# KiCad board NNCpro.kicad_pcb
title: NNCsuper AKA v2.0; rev: v1.0; company: NoNameRocketry; note: designed by PlanAndBuild; note: designed in Poland; note: Best NNC. It's for everything.
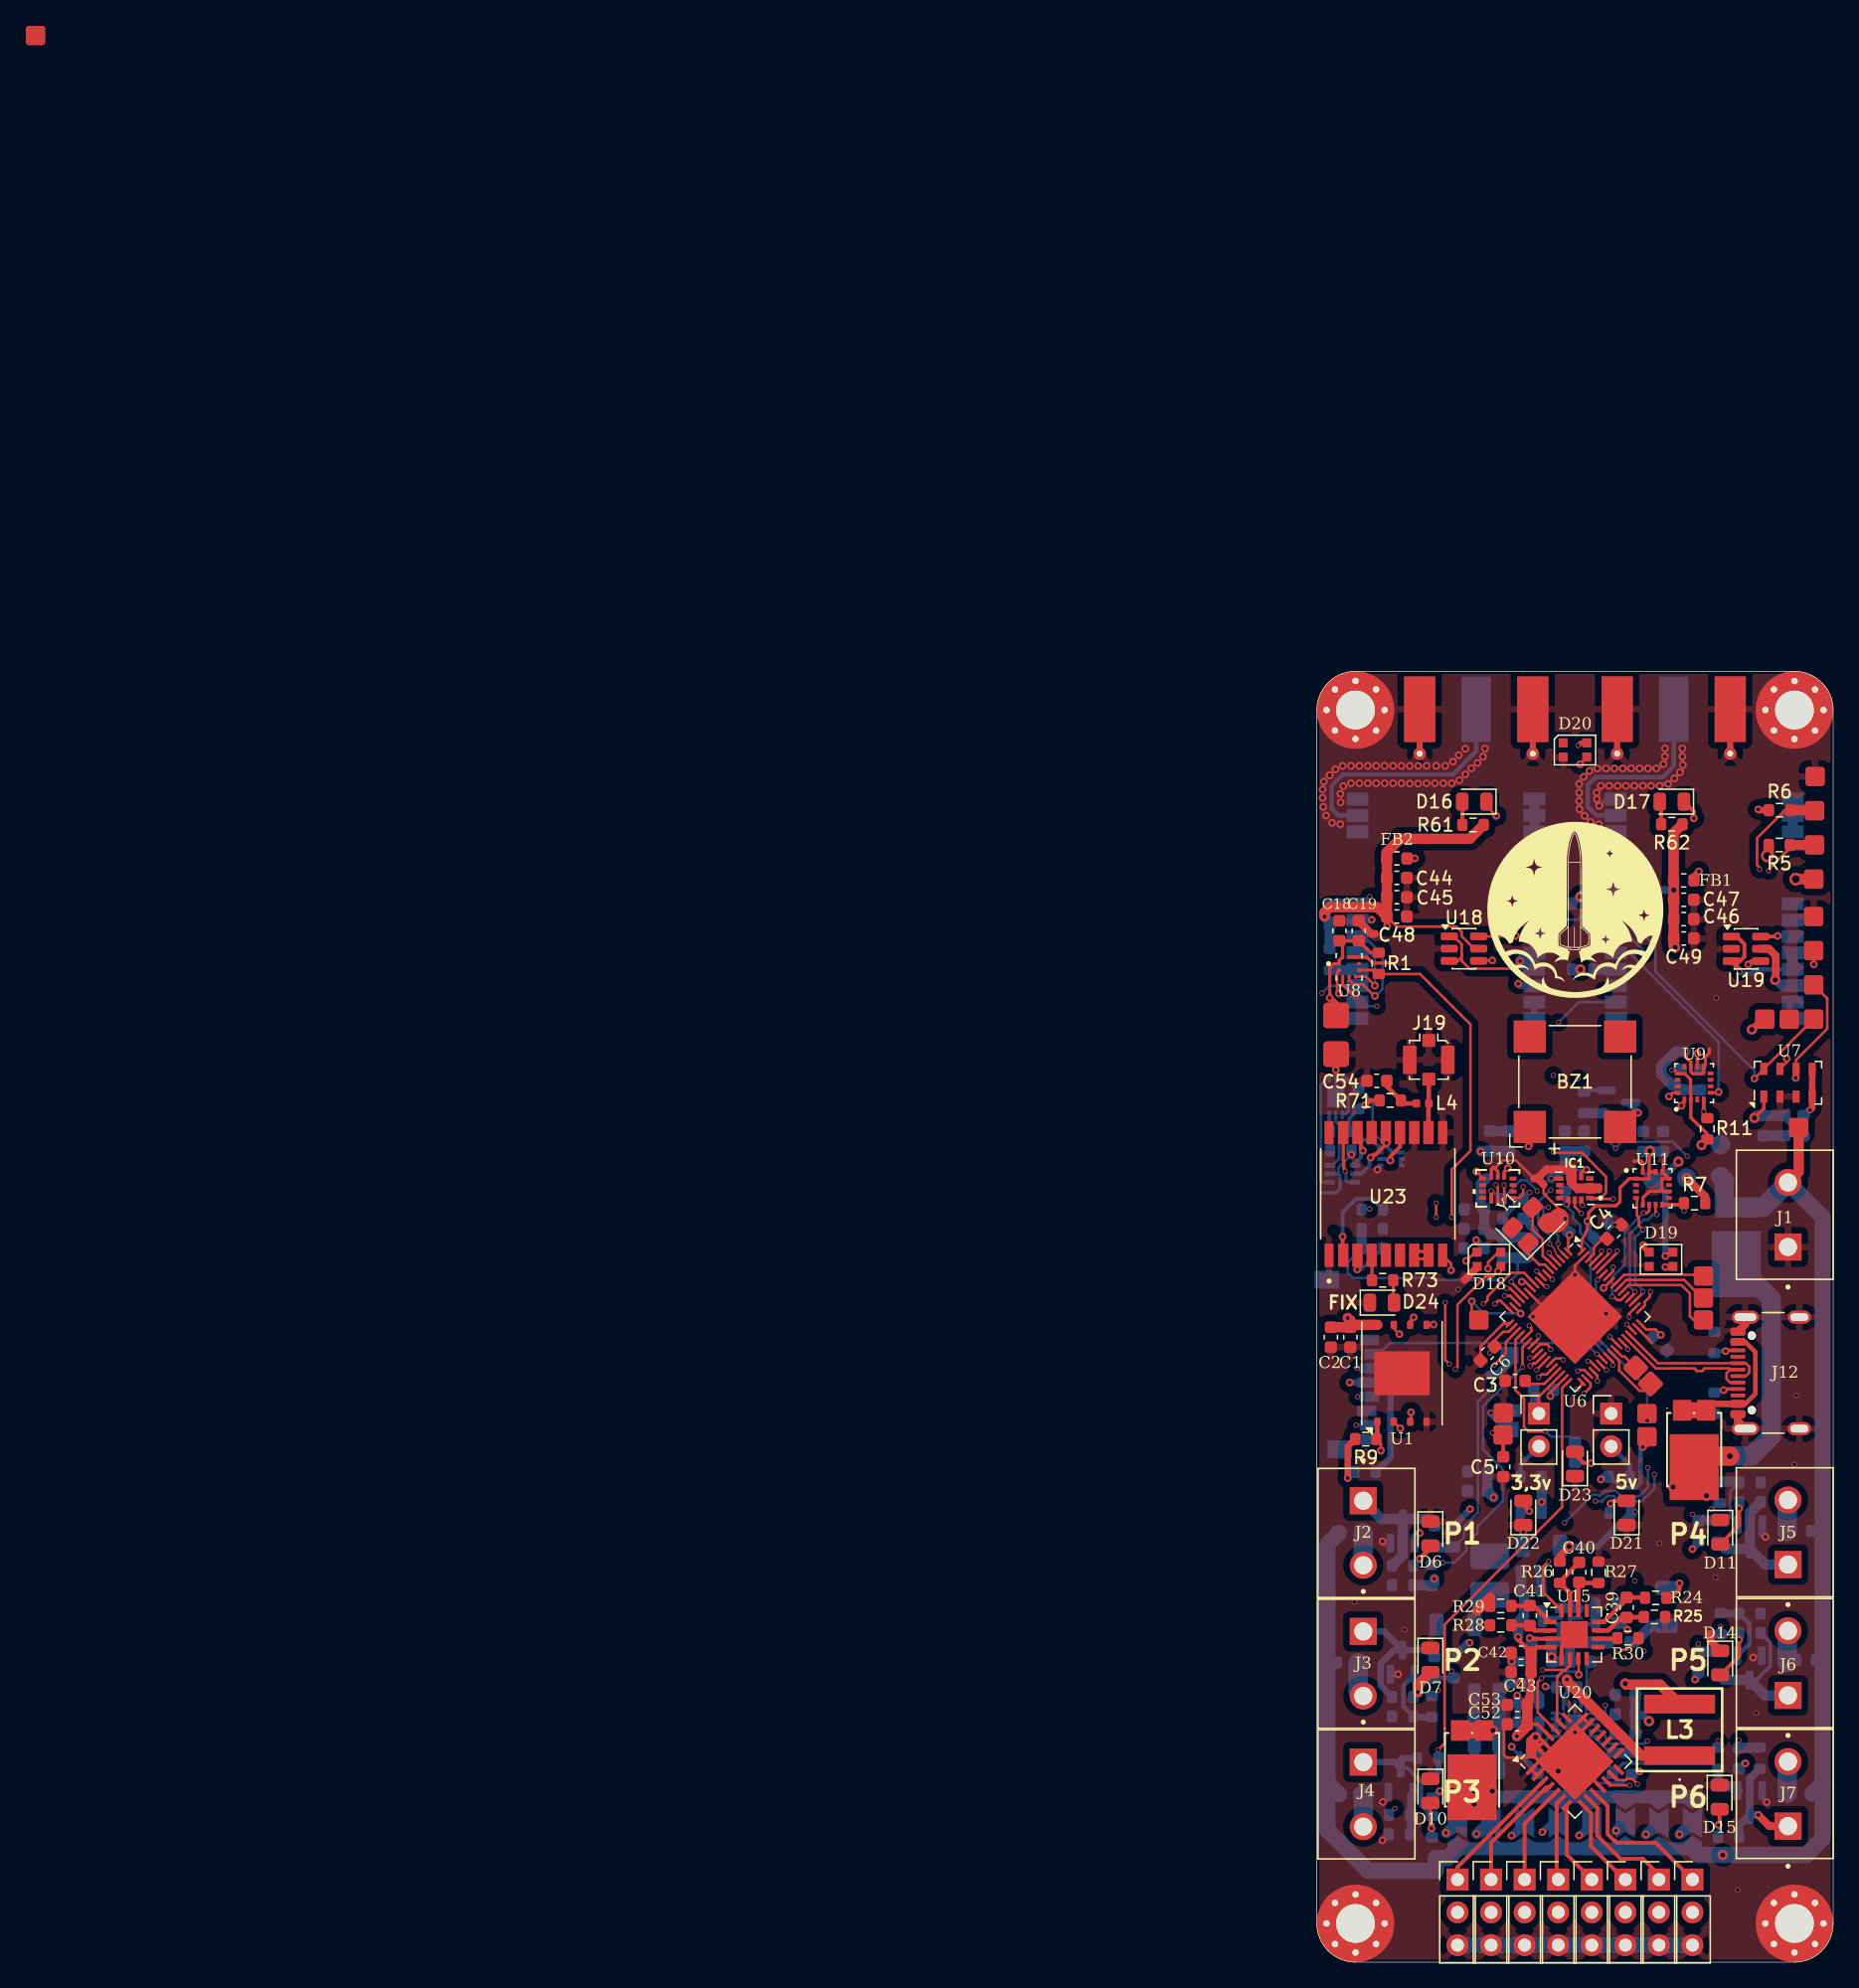
[diagram p0: board, top side]
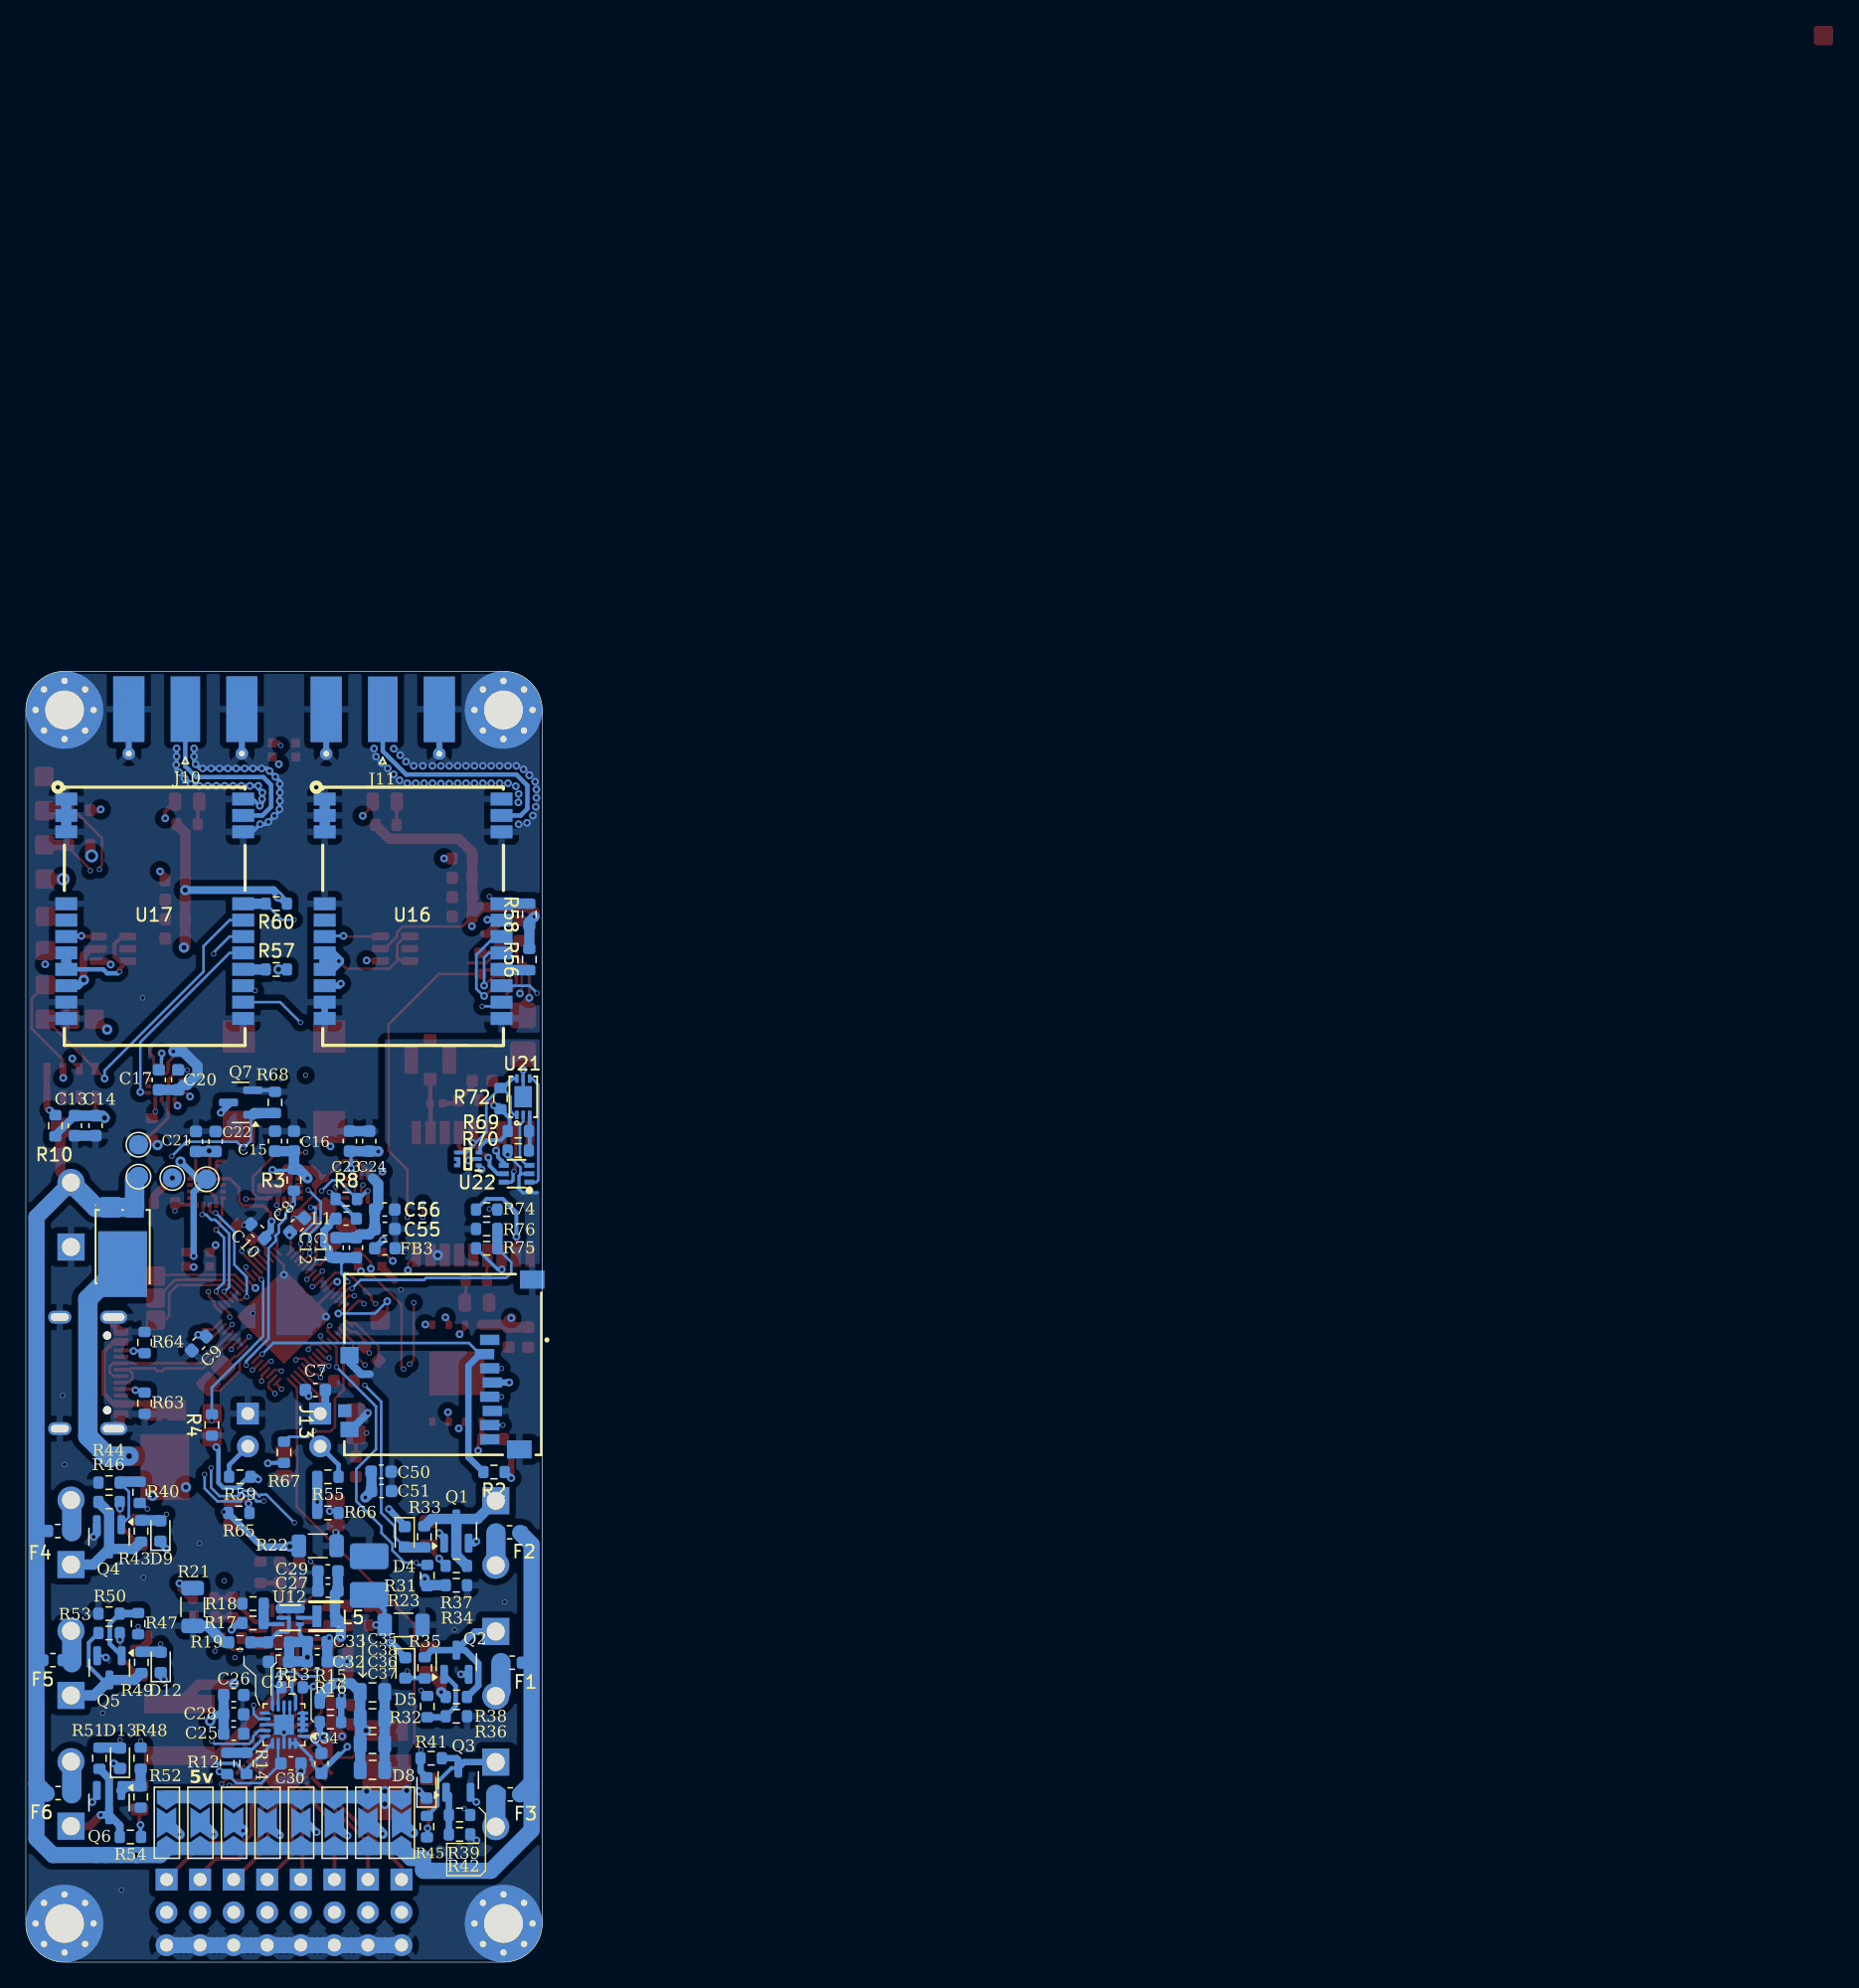
[diagram p1: board, bottom side, seen from below]

Outline 40 x 100 mm; copper layers: Top, In1.Cu (plane), In2.Cu (plane), Bottom. Coordinates in mm from the lower left corner of the outline.
Outline path: 0,97 arc(0.88,99.12) 3,100 37,100 arc(39.12,99.12) 40,97 40,3 arc(39.12,0.88) 37,0 3,0 arc(0.88,0.88) 0,3 0,97
Stack: Top 0.035mm / dielectric 0.1mm FR4 er 4.5 / In1.Cu 0.035mm / dielectric 1.24mm FR4 er 4.5 / In2.Cu 0.035mm / dielectric 0.1mm FR4 er 4.5 / Bottom 0.035mm

## Placement (name value [footprint] x y rotation side)
BZ1  Buzzer  [MagneticBuzzer_CUI_CMT-8504-100-SMT]  20 68.2 90 top
C1  100nF  [C_0603_1608Metric]  2.6 48.42 270 top
C2  1uF  [C_0603_1608Metric]  1.09 48.42 270 top
C3  2.2uF  [C_0603_1608Metric]  15.36 45.03 180 top
C4  2.2uF  [C_0603_1608Metric]  23.03 56.59 45 top
C5  100nF  [C_0603_1608Metric]  14.44 38.38 90 top
C6  4.7uF  [C_0603_1608Metric]  13.23 47.15 225 top
C7  100nF  [C_0603_1608Metric]  17.58 44.33 180 bottom
C8  100nF  [C_0603_1608Metric]  18.98 57.1 135 bottom
C9  100nF  [C_0603_1608Metric]  26.6 47.93 315 bottom
C10  100nF  [C_0603_1608Metric]  22.05 56.62 45 bottom
C11  1uF  [C_0603_1608Metric]  14.42 55.35 90 bottom
C12  100nF  [C_0603_1608Metric]  15.92 55.35 90 bottom
C13  100nF  [C_0603_1608Metric]  36.2 64.8 270 bottom
C14  100nF  [C_0603_1608Metric]  34.6 64.8 90 bottom
C15  100nF  [C_0603_1608Metric]  20.7 63.6 90 bottom
C16  100nF  [C_0603_1608Metric]  19.22 63.6 270 bottom
C17  10uF  [C_0603_1608Metric]  29.7 68.35 90 bottom
C18  100nF  [C_0603_1608Metric]  1.75 79.9 90 top
C19  100nF  [C_0603_1608Metric]  3.25 79.9 270 top
C20  1uF  [C_0603_1608Metric]  28.2 68.35 270 bottom
C21  10uF  [C_0603_1608Metric]  26.83 63.58 90 bottom
C22  100nF  [C_0603_1608Metric]  25.3 63.58 270 bottom
C23  100nF  [C_0603_1608Metric]  14.9 63.6 90 bottom
C24  100nF  [C_0603_1608Metric]  13.4 63.6 270 bottom
C25  22uF  [C_0603_1608Metric]  23.9 17.7 0 bottom
C26  22uF  [C_0603_1608Metric]  23.9 20.7 0 bottom
C27  22uF  [C_0603_1608Metric]  16.6 28.78 180 bottom
C28  100nF  [C_0603_1608Metric]  23.9 19.2 0 bottom
C29  100nF  [C_0603_1608Metric]  16.6 30.28 180 bottom
C30  1uF  [C_0603_1608Metric]  19.47 15.4 180 bottom
C31  22uF  [C_0603_1608Metric]  20.42 23.28 0 bottom
C32  100nF  [C_0603_1608Metric]  17.42 23.3 180 bottom
C33  22uF  [C_0603_1608Metric]  17.42 24.8 180 bottom
C34  100nF  [C_0603_1608Metric]  17.1 15.4 90 bottom
C35  47uF  [C_0805_2012Metric]  13.15 20.9 0 bottom
C36  47uF  [C_0805_2012Metric]  13.15 16.9 0 bottom
C37  47uF  [C_0805_2012Metric]  13.15 14.9 0 bottom
C38  47uF  [C_0805_2012Metric]  13.15 18.9 0 bottom
C39  100nF  [C_0603_1608Metric]  24 27.47 90 top
C40  100nF  [C_0603_1608Metric]  20.33 30.2 90 top
C41  100nF  [C_0603_1608Metric]  16.5 26.85 270 top
C42  100nF  [C_0603_1608Metric]  15.83 23.97 180 top
C43  100nF  [C_0603_1608Metric]  15.83 22.48 0 top
C44  100nF  [C_0603_1608Metric]  6.2 82.5 0 top
C45  10uF  [C_0603_1608Metric]  6.2 84 180 top
C46  100nF  [C_0603_1608Metric]  28.43 80.8 0 top
C47  10uF  [C_0603_1608Metric]  28.43 82.3 180 top
C48  100nF  [C_0603_1608Metric]  6.2 81 180 top
C49  100nF  [C_0603_1608Metric]  28.43 79.3 180 top
C50  100nF  [C_0603_1608Metric]  12.47 38 180 bottom
C51  1uF  [C_0603_1608Metric]  12.45 36.5 180 bottom
C52  100nF  [C_0603_1608Metric]  15.53 18.43 180 top
C53  100nF  [C_0603_1608Metric]  15.53 19.93 0 top
C54  10nF  [C_0603_1608Metric]  4.65 68.28 0 top
C55  10uF  [C_0603_1608Metric]  12.19 56.8 0 bottom
C56  100nF  [C_0603_1608Metric]  12.2 58.31 180 bottom
D4  D  [D_0603_1608Metric]  10.65 32.95 270 bottom
D5  D  [D_0603_1608Metric]  10.6 22.8 270 bottom
D6  LED  [LED_0805_2012Metric]  8.8 33.2 270 top
D7  LED  [LED_0805_2012Metric]  8.8 23.4 270 top
D8  D  [D_0603_1608Metric]  8.97 13.5 90 bottom
D9  D  [D_0603_1608Metric]  29.57 33.4 90 bottom
D10  LED  [LED_0805_2012Metric]  8.8 13.26 270 top
D11  LED  [LED_0805_2012Metric]  31.25 33.31 270 top
D12  D  [D_0603_1608Metric]  29.55 23.22 90 bottom
D13  D  [D_0603_1608Metric]  32.7 15.8 90 bottom
D14  LED  [LED_0805_2012Metric]  31.25 23.18 270 top
D15  LED  [LED_0805_2012Metric]  31.2 12.78 270 top
D16  LED  [LED_0805_2012Metric]  12.2 89.9 180 top
D17  LED  [LED_0805_2012Metric]  27.5 89.9 180 top
D18  WS2812B-2020  [LED_WS2812B-2020_PLCC4_2.0x2.0mm]  13.33 54.45 0 top
D19  WS2812B-2020  [LED_WS2812B-2020_PLCC4_2.0x2.0mm]  26.67 54.45 0 top
D20  WS2812B-2020  [LED_WS2812B-2020_PLCC4_2.0x2.0mm]  20 93.9 0 top
D21  LED  [LED_0805_2012Metric]  24 34.8 90 top
D22  LED  [LED_0805_2012Metric]  16 34.8 90 top
D23  LED  [LED_0805_2012Metric]  20 38.6 90 top
D24  LED  [LED_0805_2012Metric]  5.05 51.09 0 top
D25  SP15100L  [TO-277B_L5.7-W4.2-LS6.5-TR]  29.23 40.55 90 top
D26  SP15100L  [TO-277B_L5.7-W4.2-LS6.5-TR]  32.5 56.28 90 bottom
D27  SP15100L  [TO-277B_L5.7-W4.2-LS6.5-TR]  12.03 15.75 90 top
F1  500mA  [Fuse_0603_1608Metric_Pad1.05x0.95mm_HandSolder]  2.33 23.2 0 bottom
F2  500mA  [Fuse_0603_1608Metric_Pad1.05x0.95mm_HandSolder]  2.53 33.3 0 bottom
F3  500mA  [Fuse_0603_1608Metric_Pad1.05x0.95mm_HandSolder]  2.47 13 0 bottom
F4  500mA  [Fuse_0603_1608Metric_Pad1.05x0.95mm_HandSolder]  37.53 33.4 180 bottom
F5  500mA  [Fuse_0603_1608Metric_Pad1.05x0.95mm_HandSolder]  37.9 23.4 180 bottom
F6  500mA  [Fuse_0603_1608Metric_Pad1.05x0.95mm_HandSolder]  37.5 13.1 180 bottom
FB1  CBG160808U601T  [L_0603_1608Metric]  28.43 83.8 0 top
FB2  CBG160808U601T  [L_0603_1608Metric]  6.2 85.5 0 top
FB3  CBG160808U601T  [L_0603_1608Metric]  12.19 55.3 180 bottom
G***  -  [LOGO]  20 81.6 0 top
H1  MountingHole_Pad  [MountingHole_3mm_Pad_Via]  3 97 0 top
H2  MountingHole_Pad  [MountingHole_3mm_Pad_Via]  37 97 0 top
H3  MountingHole_Pad  [MountingHole_3mm_Pad_Via]  37 3 0 top
H4  MountingHole_Pad  [MountingHole_3mm_Pad_Via]  3 3 0 top
IC1  LSM6DSV80XTR  [XDCR_LSM6DSV16XTR]  19.98 59.95 180 top
IC2  TPS56C230RJER  [VQFN-20-1EP_3x3mm_P0.45mm_EP1.55x1.55mm]  20 18.4 0 bottom
J1  Screw_Terminal_01x02  [HANDSON_KF301-2P]  36.5 57.9 90 top
J2  Screw_Terminal_01x02  [HANDSON_KF301-2P]  3.6 33.25 270 top
J3  Screw_Terminal_01x02  [HANDSON_KF301-2P]  3.6 23.12 270 top
J4  Screw_Terminal_01x02  [HANDSON_KF301-2P]  3.6 13 270 top
J5  Screw_Terminal_01x02  [HANDSON_KF301-2P]  36.5 33.3 90 top
J6  Screw_Terminal_01x02  [HANDSON_KF301-2P]  36.5 23.17 90 top
J7  Screw_Terminal_01x02  [HANDSON_KF301-2P]  36.5 13.04 90 top
J8  Conn_01x02_Pin  [PinHeader_1x02_P2.54mm_Vertical]  17.2 42.5 0 top
J9  Conn_01x02_Pin  [PinHeader_1x02_P2.54mm_Vertical]  22.8 42.5 0 top
J10  Conn_Coaxial  [SMA_Molex_73251-1153_EdgeMount_Horizontal]  27.64 95.34 270 bottom
J11  Conn_Coaxial  [SMA_Molex_73251-1153_EdgeMount_Horizontal]  12.35 95.34 270 bottom
J12  USB_C_Receptacle_USB2.0_16P  [USB_C_Receptacle_GCT_USB4105-xx-A_16P_TopMnt_Horizontal]  36.3 45.65 90 top
J13  MEM2052-00-195-00-A_REVA  [GCT_MEM2052-00-195-00-A_REVA]  7.7 46.3 90 bottom
J14  Conn_01x03_Pin  [PinHeader_1x03_P2.54mm_Vertical]  10.9 6.4 0 top
J15  Conn_01x03_Pin  [PinHeader_1x03_P2.54mm_Vertical]  13.5 6.4 0 top
J16  Conn_01x03_Pin  [PinHeader_1x03_P2.54mm_Vertical]  16.1 6.4 0 top
J17  Conn_01x03_Pin  [PinHeader_1x03_P2.54mm_Vertical]  18.7 6.4 0 top
J18  Conn_01x03_Pin  [PinHeader_1x03_P2.54mm_Vertical]  21.3 6.4 0 top
J19  Conn_Coaxial  [U.FL_Molex_MCRF_73412-0110_Vertical]  8.67 69.9 0 top
J20  Conn_01x03_Pin  [PinHeader_1x03_P2.54mm_Vertical]  23.9 6.4 0 top
J21  Conn_01x03_Pin  [PinHeader_1x03_P2.54mm_Vertical]  26.5 6.4 0 top
J22  Conn_01x03_Pin  [PinHeader_1x03_P2.54mm_Vertical]  29.1 6.4 0 top
J27  ~  [pad_1x1mm]  38.49 78.36 0 top
J28  ~  [pad_1x1mm]  38.49 75.71 0 top
J29  ~  [pad_1x1mm]  38.49 73.06 0 top
J30  ~  [pad_1x1mm]  -99.25 149.25 0 top
J31  ~  [pad_1x1mm]  12.55 49.75 0 top
J32  ~  [pad_1x1mm]  29.95 49.75 90 top
J33  ~  [pad_1x1mm]  38.49 81.01 0 top
J34  ~  [pad_1x1mm]  29.95 51.45 0 top
J35  ~  [pad_1x1mm]  29.95 53.15 90 top
J36  ~  [pad_1x1mm]  24.7 46.05 135 top
J37  ~  [pad_1x1mm]  25.85 44.8 135 top
J38  ~  [pad_1x1mm]  34.7 73.05 0 top
J39  ~  [pad_1x1mm]  37.32 64.65 0 top
J40  ~  [pad_1x1mm]  38.6 91.85 90 top
J41  ~  [pad_1x1mm]  38.5 83.9 90 top
J42  ~  [pad_1x1mm]  38.55 86.55 90 top
J43  ~  [pad_1x1mm]  38.55 89.2 90 top
J44  ~  [pad_1x1mm]  36.6 73.05 0 top
J45  ~  [SolderPad2x2]  1.5 73.34 0 top
J46  ~  [SolderPad2x2]  1.5 70.34 0 top
JP1  SolderJumper_3_Open  [SolderJumper-3_P2.0mm_Open_TrianglePad1.0x1.5mm_NumberLabels]  10.9 10.8 270 bottom
JP2  SolderJumper_3_Open  [SolderJumper-3_P2.0mm_Open_TrianglePad1.0x1.5mm_NumberLabels]  13.5 10.8 270 bottom
JP3  SolderJumper_3_Open  [SolderJumper-3_P2.0mm_Open_TrianglePad1.0x1.5mm_NumberLabels]  16.1 10.8 270 bottom
JP4  SolderJumper_3_Open  [SolderJumper-3_P2.0mm_Open_TrianglePad1.0x1.5mm_NumberLabels]  18.7 10.8 270 bottom
JP5  SolderJumper_3_Open  [SolderJumper-3_P2.0mm_Open_TrianglePad1.0x1.5mm_NumberLabels]  21.3 10.8 270 bottom
JP6  SolderJumper_3_Open  [SolderJumper-3_P2.0mm_Open_TrianglePad1.0x1.5mm_NumberLabels]  23.9 10.8 270 bottom
JP7  SolderJumper_3_Open  [SolderJumper-3_P2.0mm_Open_TrianglePad1.0x1.5mm_NumberLabels]  26.5 10.8 270 bottom
JP8  SolderJumper_3_Open  [SolderJumper-3_P2.0mm_Open_TrianglePad1.0x1.5mm_NumberLabels]  29.1 10.8 270 bottom
L1  27nH  [L_0603_1608Metric]  15.19 57.6 0 bottom
L3  -  [7443934450068]  28.1 18 0 top
L4  LQG15HS27NJ02D  [L_0402_1005Metric]  8.2 66.53 0 top
L5  AFE201612S1R5MBT  [IND-SMD_L2.0-W1.6-B]  16.75 26.8 0 bottom
Q1  DO2300B  [SOT-23]  6.65 33.4 90 bottom
Q2  DO2300B  [SOT-23]  6.65 23.24 90 bottom
Q3  DO2300B  [SOT-23]  6.5 14.1 90 bottom
Q4  DO2300B  [SOT-23]  33.55 32.95 270 bottom
Q5  DO2300B  [SOT-23]  33.53 22.8 270 bottom
Q6  DO2300B  [SOT-23]  33.55 12.36 270 bottom
Q7  DO2300B  [SOT-23]  23.36 66.6 0 bottom
Q8  SI1016CX-T1-GE3  [SOTFL50P160X60-6N]  5.76 62.22 0 bottom
R1  10kΩ  [R_0603_1608Metric]  4.8 77.38 90 top
R2  10kΩ  [R_0603_1608Metric]  3.73 37.97 0 bottom
R3  10kΩ  [R_0603_1608Metric]  19.23 60.59 90 bottom
R4  10kΩ  [R_0603_1608Metric]  25.59 41.61 90 bottom
R5  4.7kΩ  [R_0603_1608Metric]  35.82 86.54 180 top
R6  4.7kΩ  [R_0603_1608Metric]  35.84 89.24 0 top
R7  10kΩ  [R_0603_1608Metric]  29.26 58.8 0 top
R8  10kΩ  [R_0603_1608Metric]  15.17 59.11 180 bottom
R9  10kΩ  [R_0603_1608Metric]  3.8 40.52 180 top
R10  10kΩ  [R_0603_1608Metric]  37.71 64.8 270 bottom
R11  10kΩ  [R_0603_1608Metric]  30.25 64.56 90 top
R12  330kΩ  [R_0603_1608Metric]  24.4 15.4 90 bottom
R13  100kΩ  [R_0603_1608Metric]  19.38 21.3 180 bottom
R14  15kΩ  [R_0603_1608Metric]  22.9 15.4 90 bottom
R15  110kΩ  [R_0603_1608Metric]  16.4 20.1 0 bottom
R16  15kΩ  [R_0603_1608Metric]  16.4 18.6 180 bottom
R17  135kΩ  [R_0603_1608Metric]  22.4 26.28 0 bottom
R18  30kΩ  [R_0603_1608Metric]  22.4 27.78 0 bottom
R19  42.2kΩ  [R_0603_1608Metric]  23.42 24.78 180 bottom
R20  100kΩ  [R_0603_1608Metric]  20.42 24.78 180 bottom
R21  0.03Ω  [R_1206_3216Metric]  27.08 27.51 270 bottom
R22  0.03Ω  [R_1206_3216Metric]  17.39 32.25 180 bottom
R23  0.03Ω  [R_1206_3216Metric]  10.74 26.12 180 bottom
R24  10Ω  [R_0603_1608Metric]  26.25 28.22 180 top
R25  10Ω  [R_0603_1608Metric]  26.16 26.75 0 top
R26  10Ω  [R_0603_1608Metric]  18.83 30.2 270 top
R27  10Ω  [R_0603_1608Metric]  21.83 30.2 90 top
R28  10Ω  [R_0603_1608Metric]  14.25 26.1 0 top
R29  10Ω  [R_0603_1608Metric]  14.25 27.6 180 top
R30  10kΩ  [R_0603_1608Metric]  24.1 25.1 0 top
R31  10Ω  [R_0603_1608Metric]  8.9 29.95 270 bottom
R32  10Ω  [R_0603_1608Metric]  8.9 19.8 270 bottom
R33  100kΩ  [R_0603_1608Metric]  9.13 32.95 270 bottom
R34  10kΩ  [R_0603_1608Metric]  6.65 29.2 180 bottom
R35  100kΩ  [R_0603_1608Metric]  9.1 22.8 270 bottom
R36  10kΩ  [R_0603_1608Metric]  6.65 19.05 180 bottom
R37  10kΩ  [R_0603_1608Metric]  6.65 30.7 180 bottom
R38  10kΩ  [R_0603_1608Metric]  6.65 20.55 180 bottom
R39  10Ω  [R_0603_1608Metric]  6.4 11.4 0 bottom
R40  10Ω  [R_0603_1608Metric]  31.18 36.4 90 bottom
R41  100kΩ  [R_0603_1608Metric]  8.6 15.8 0 bottom
R42  10kΩ  [R_0603_1608Metric]  6.4 9.9 180 bottom
R43  100kΩ  [R_0603_1608Metric]  31.07 33.4 90 bottom
R44  10kΩ  [R_0603_1608Metric]  33.55 37.15 0 bottom
R45  10kΩ  [R_0603_1608Metric]  8.92 10.5 90 bottom
R46  10kΩ  [R_0603_1608Metric]  33.55 35.65 0 bottom
R47  10Ω  [R_0603_1608Metric]  31.3 26.22 90 bottom
R48  10Ω  [R_0603_1608Metric]  31.1 15.8 270 bottom
R49  100kΩ  [R_0603_1608Metric]  31.05 23.22 90 bottom
R50  10kΩ  [R_0603_1608Metric]  33.55 27 0 bottom
R51  100kΩ  [R_0603_1608Metric]  34.3 15.8 90 bottom
R52  10kΩ  [R_0603_1608Metric]  31.1 12.8 270 bottom
R53  10kΩ  [R_0603_1608Metric]  33.55 25.5 0 bottom
R54  10kΩ  [R_0603_1608Metric]  31.9 9.7 0 bottom
R55  10kΩ  [R_0603_1608Metric]  16.6 37.6 180 bottom
R56  10kΩ  [R_0603_1608Metric]  1 77.67 90 bottom
R57  10kΩ  [R_0603_1608Metric]  20.6 76.9 180 bottom
R58  10kΩ  [R_0603_1608Metric]  1 81.17 90 bottom
R59  10kΩ  [R_0603_1608Metric]  23.42 37.6 0 bottom
R60  10kΩ  [R_0603_1608Metric]  20.6 82 0 bottom
R61  220Ω  [R_0603_1608Metric]  12.1 88.1 180 top
R62  220Ω  [R_0603_1608Metric]  27.5 88.15 180 top
R63  5.1kΩ  [R_0603_1608Metric]  30.8 43.3 270 bottom
R64  5.1kΩ  [R_0603_1608Metric]  30.8 48 270 bottom
R65  220Ω  [R_0603_1608Metric]  23.5 34.8 0 bottom
R66  220Ω  [R_0603_1608Metric]  16.6 34.8 0 bottom
R67  220Ω  [R_0603_1608Metric]  20 39.5 90 bottom
R68  10kΩ  [R_0603_1608Metric]  20.7 66.6 90 bottom
R69  560Ω  [R_0603_1608Metric]  1.86 64.38 0 bottom
R70  100kΩ  [R_0603_1608Metric]  1.86 62.88 180 bottom
R71  10Ω  [R_0603_1608Metric]  5.69 66.76 0 top
R72  100kΩ  [R_0603_1608Metric]  3.23 66.9 270 bottom
R73  220Ω  [R_0603_1608Metric]  5.1 52.83 180 top
R74  220Ω  [R_0603_1608Metric]  4.3 58.3 180 bottom
R75  1kΩ  [R_0603_1608Metric]  4.3 55.3 180 bottom
R76  10kΩ  [R_0603_1608Metric]  4.3 56.8 0 bottom
TP1  TestPoint  [TestPoint_Pad_D1.5mm]  31.28 63.33 180 bottom
TP2  TestPoint  [TestPoint_Pad_D1.5mm]  28.65 60.75 180 bottom
TP3  TestPoint  [TestPoint_Pad_D1.5mm]  26 60.65 180 bottom
TP4  TestPoint  [TestPoint_Pad_D1.5mm]  31.28 60.85 180 bottom
U1  W25Q128JVE  [WSON-8-1EP_8x6mm_P1.27mm_EP3.4x4.3mm]  6.6 45.62 90 top
U2  ~  [pad_1x1mm]  25.58 40.7 180 top
U3  boot  [pad_1x1mm]  25.58 42.5 180 top
U4  ~  [pad_1x1mm]  14.45 42.55 180 top
U5  RST  [pad_1x1mm]  14.42 40.85 180 top
U6  STM32H562RIVx  [QFN-68-1EP_8x8mm_P0.4mm_EP5.2x5.2mm]  20 50 315 top
U7  MS5611-01BA  [LGA-8_3x5mm_P1.25mm]  36.5 68.12 90 top
U8  BMP390L  [XDCR_BMP390L]  2.5 77.1 90 top
U9  MMC5983MA  [PQFN50P300X300X100-16N]  29.22 68.1 90 top
U10  LSM6DSO32  [LGA-14L_2P5X3X0P83_STM]  14.02 59.95 180 top
U11  H3LIS200DLTR  [PQFN50P300X300X100-16N]  26 59.95 0 top
U12  TPS564242DRLR  [TPS564242DRLR_TEX]  19.52 26.67 0 bottom
U13  ~  [3x2]  13.4 28.45 180 bottom
U14  ~  [3x2]  13.4 31.45 180 bottom
U15  INA3221  [Texas_RGV0016A_VQFN-16-1EP_4x4mm_P0.65mm_EP2.1x2.1mm]  19.94 25.38 0 top
U16  E220-400M22S  [WIRELM-SMD_22P-L20.0-W14.0-P1.27-BR]  10 81.6 0 bottom
U17  E220-400M22S  [WIRELM-SMD_22P-L20.0-W14.0-P1.27-BR]  30.02 81.6 0 bottom
U18  74LVC2G04LT06ARCQ  [SOT-23-6]  11.4 78.51 0 top
U19  74LVC2G04LT06ARCQ  [SOT-23-6]  33.25 78.5 0 top
U20  PCA9685BS  [QFN-28-1EP_6x6mm_P0.65mm_EP4.25x4.25mm]  20 15.54 45 top
U21  LT6000CDCB#TRMPBF  [DFN-6_L3.0-W2.0-P0.50-LS2.90-EP]  1.47 67.04 180 bottom
U22  NC7WZ07P6X  [SOT-363_L2.1-W1.3-P0.65-LS2.2-BL]  1.99 61.08 90 bottom
U23  MAX-M10M-20B  [XCVR_MAX-M10M-00B]  5.35 59.51 90 top
Y1  Crystal_GND24  [Crystal_SMD_3225-4Pin_3.2x2.5mm]  16.54 57.08 45 top

## Library data of the parts
BZ1 = -: Description: Buzzer, polarized; ki_fp_filters: *Buzzer*
C1-C34 C39-C56 = -: Description: Unpolarized capacitor; ki_fp_filters: C_*
C35-C38 = -: Description: Unpolarized capacitor; Field5: C19103846; ki_fp_filters: C_*
D4 D5 D8 D9 D12 D13 = -: Description: Schottky diode; Sim.Pins: 1=K 2=A; ki_fp_filters: TO-???* *_Diode_* *SingleDiode* D_*
D6 D7 D10 D11 D14-D17 D21-D24 = -: Description: Light emitting diode; Sim.Pins: 1=K 2=A; ki_fp_filters: LED* LED_SMD:* LED_THT:*
D18-D20 = -: Datasheet: https://cdn-shop.adafruit.com/product-files/4684/4684_WS2812B-2020_V1.3_EN.pdf; Description: RGB LED with integrated controller, 2.0 x 2.0 mm, 12 mA; Price: 0.6$; ki_fp_filters: LED*WS2812*-2020_PLCC4*
D25-D27 = -: Datasheet: https://www.lcsc.com/datasheet/C20199370.pdf; LCSC Part: C20199370; Manufacturer: DOWO(东沃)
F1-F6 = -: Description: Fuse; Price: 0.65$; ki_fp_filters: *Fuse*
FB1-FB3 = -: Description: Ferrite bead; Price: 0.6$; ki_fp_filters: Inductor_* L_* *Ferrite*
H1-H4 = -: Description: Mounting Hole with connection; ki_fp_filters: MountingHole*Pad*
IC1 = -: Datasheet: https://www.st.com/resource/en/datasheet/lsm6dsv80x.pdf; Description: 6-axis IMU (inertial measurement unit) with high-g accelerometer,  embedded AI, and sensor fusion for wearables and; Height: 0.74; Manufacturer_Name: STMicroelectronics; Arrow Price/Stock: https://www.arrow.com/en/products/lsm6dsv80xtr/stmicroelectronics?utm_currency=USD&region=nac; Price: free
IC2 = -: Datasheet: https://www.ti.com/lit/gpn/TPS56C230; Description: Switching Voltage Regulators 4.5-V to 18-V, 12-A synchronous buck converter 20-VQFN-HR -40 to 125; Height: 1; Mouser Part Number: 595-TPS56C230RJER; Mouser Price/Stock: https://www.mouser.co.uk/ProductDetail/Texas-Instruments/TPS56C230RJER?qs=B6kkDfuK7%2FDZws9l9ZFrjw%3D%3D; Manufacturer_Name: Texas Instruments; Price: 0,45$
J1-J7 = -: Description: Generic screw terminal, single row, 01x02, script generated (kicad-library-utils/schlib/autogen/connector/); ki_fp_filters: TerminalBlock*:*
J8 J9 = -: Description: Generic connector, single row, 01x02, script generated; ki_fp_filters: Connector*:*_1x??_*
J10 J11 J19 = -: Description: coaxial connector (BNC, SMA, SMB, SMC, Cinch/RCA, LEMO, ...); ki_fp_filters: *BNC* *SMA* *SMB* *SMC* *Cinch* *LEMO* *UMRF* *MCX* *U.FL*
J12 = -: Datasheet: https://www.usb.org/sites/default/files/documents/usb_type-c.zip; Description: USB 2.0-only 16P Type-C Receptacle connector; ki_fp_filters: USB*C*Receptacle*
J13 = -: PARTREV: A; STANDARD: Manufacturer Recommendations; SNAPEDA_PN: MEM2052-00-195-00-A; MAXIMUM_PACKAGE_HEIGHT: 1.95 mm; MANUFACTURER: Global Connector Technology
J14-J18 J20-J22 = -: Description: Generic connector, single row, 01x03, script generated; ki_fp_filters: Connector*:*_1x??_*
JP1-JP8 = -: Description: Solder Jumper, 3-pole, open; ki_fp_filters: SolderJumper*Open*
L1 L4 = -: Description: Inductor; ki_fp_filters: Choke_* *Coil* Inductor_* L_*
L3 = -: Datasheet: https://www.we-online.com/catalog/datasheet/7443934450068.pdf; Description: WE-XHMI Performance SMT Power Inductor Size 6030; L = 0.68 H +/-20%; IR = 30 A; Isat = 22.3 A; RDCmax = 3.4 m; Height: 3.1; Manufacturer_Name: Wurth Elektronik
L5 = -: Datasheet: https://www.lcsc.com/datasheet/C41347749.pdf; LCSC Part: C41347749; Manufacturer: Magnetsyc(元磁)
Q1-Q7 = -: Datasheet: https://www.onsemi.com/pub/Collateral/NDS7002A-D.PDF; Description: 0.115A Id, 60V Vds, N-Channel MOSFET, SOT-23; Price: 0.76$; ki_fp_filters: SOT?23*
Q8 = -: Datasheet: https://www.vishay.com/docs/67535/si1016cx.pdf; Description: Mosfet Array 20V 220mW Surface Mount SC-89 (SOT-563F); Height: 0.6; Mouser Part Number: 78-SI1016CX-T1-GE3; Mouser Price/Stock: https://www.mouser.co.uk/ProductDetail/Vishay-Semiconductors/SI1016CX-T1-GE3?qs=ROh%252BA47s9d23BjzCxwa0qg%3D%3D; Manufacturer_Name: Vishay